# Altium PCB ESP_MusicToy.PcbDoc (part 1 of 2) (continued)
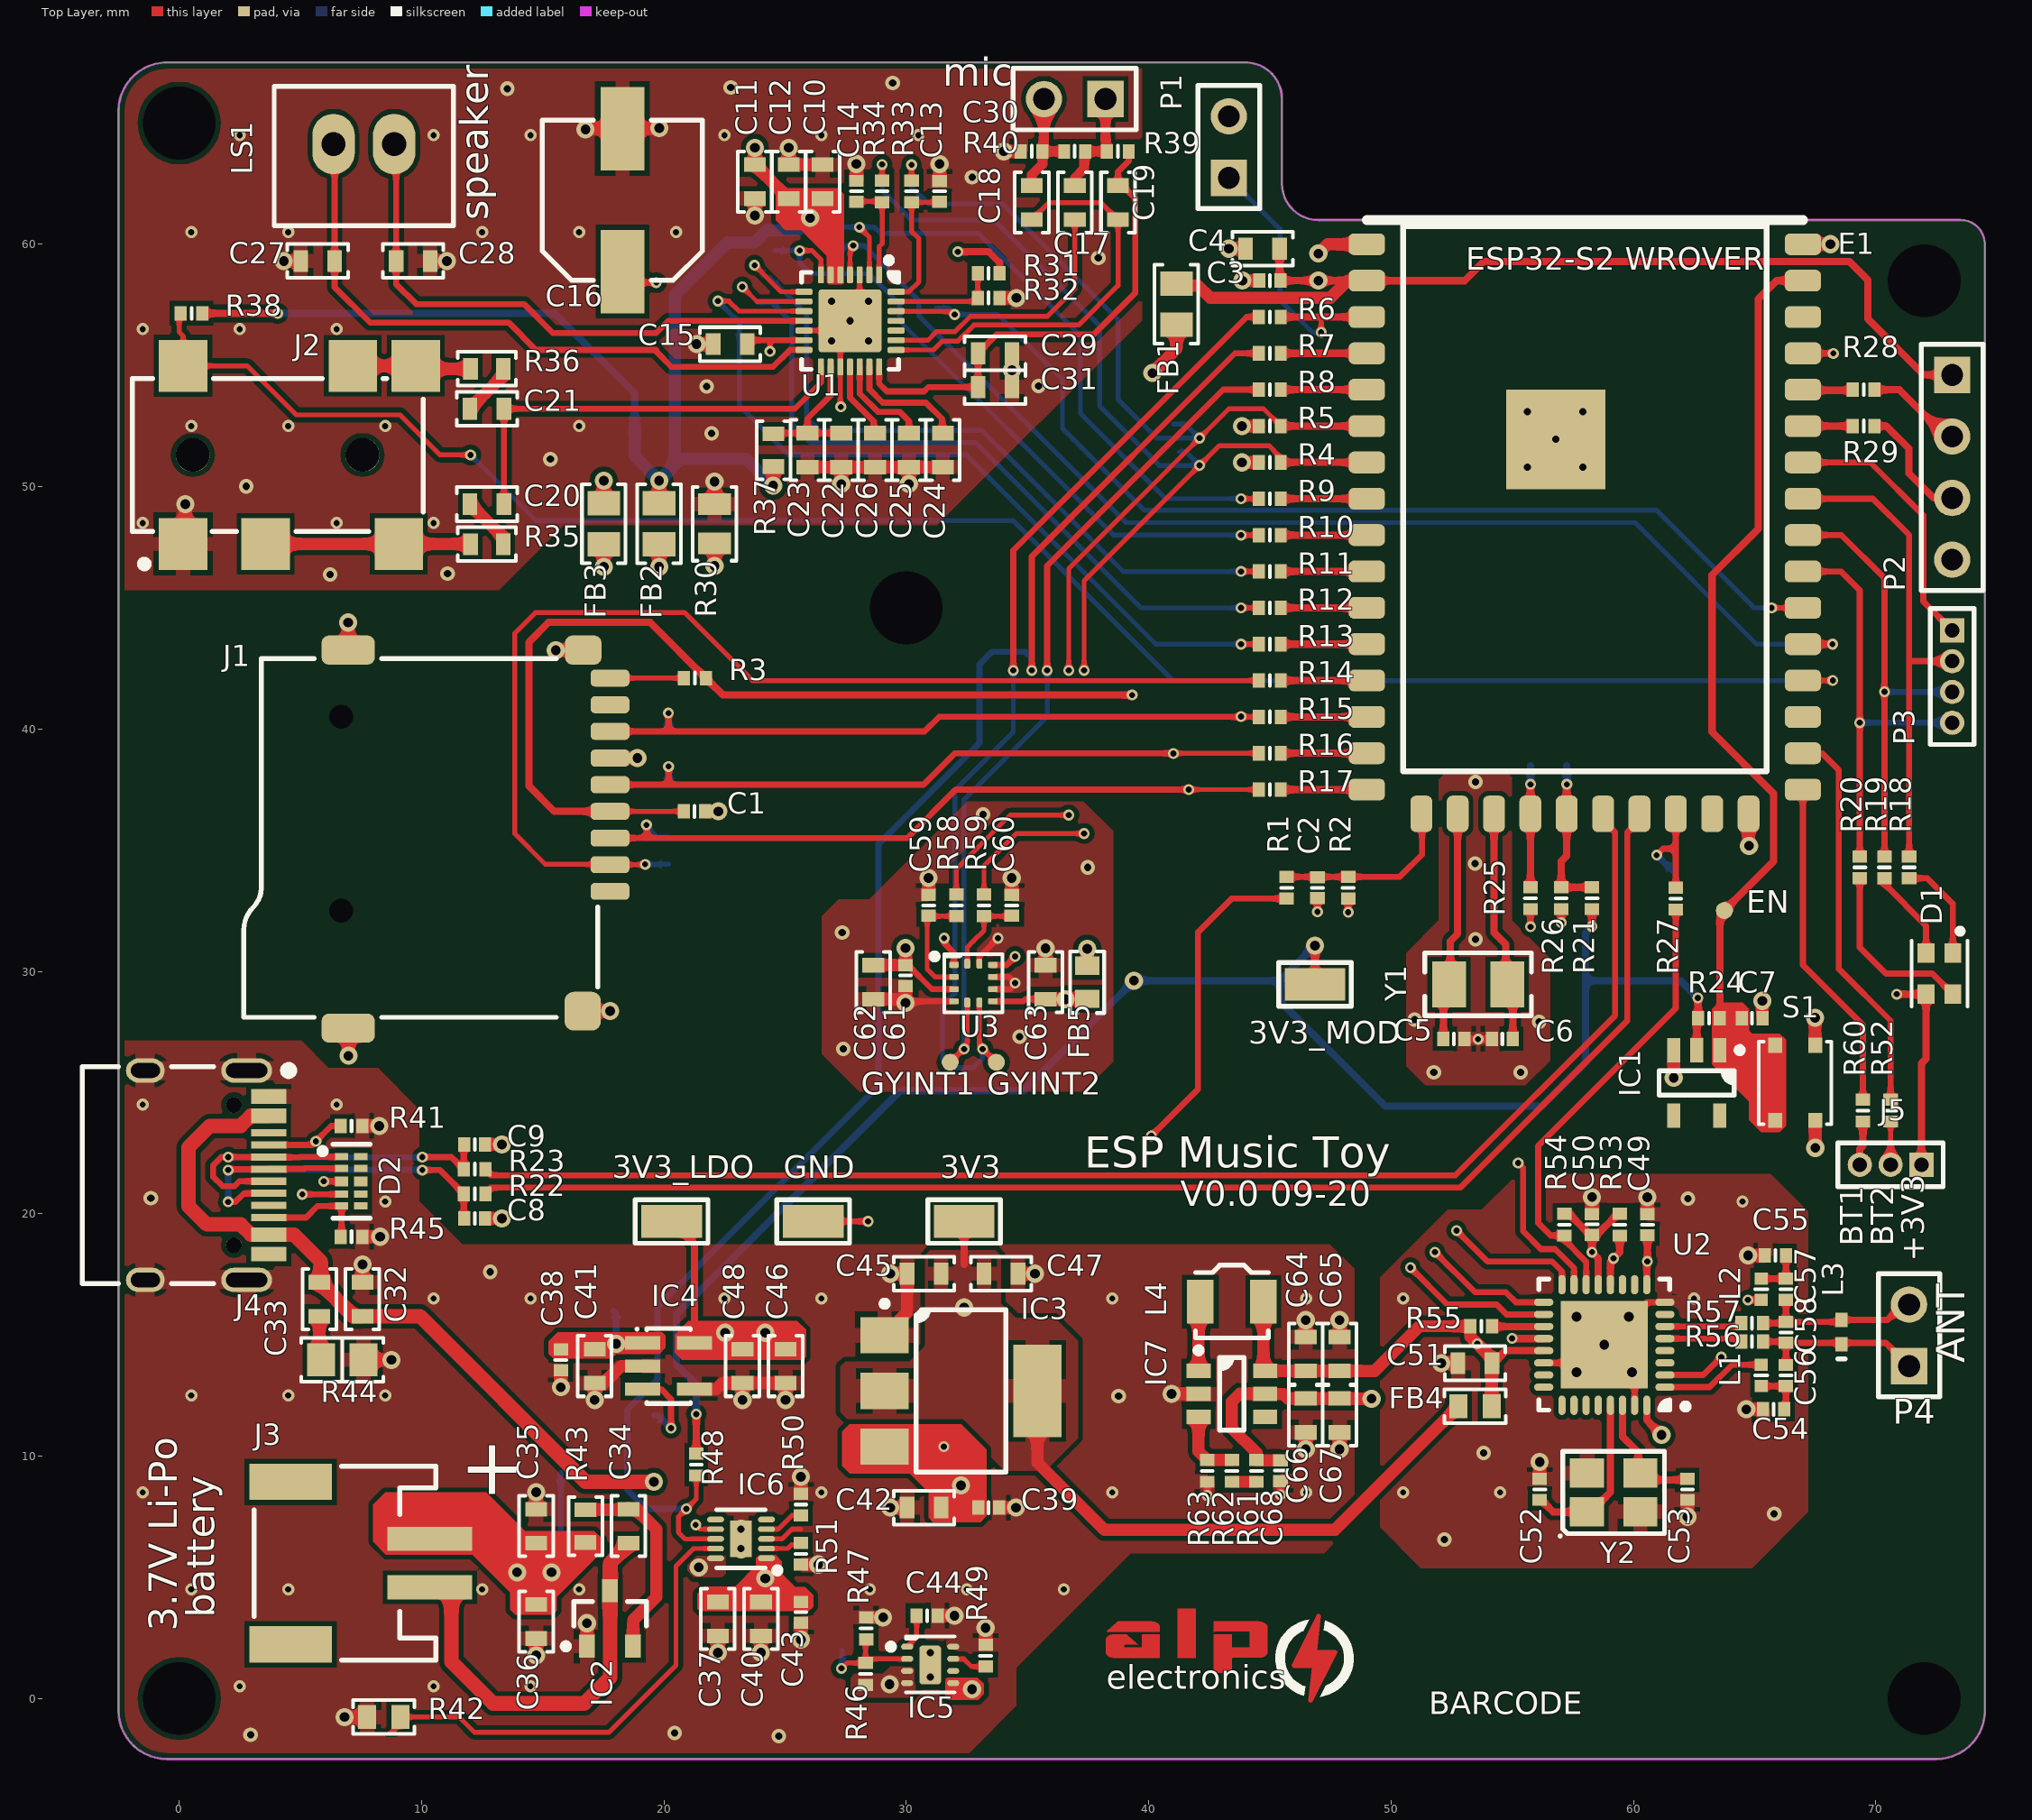
[diagram p0: Top Layer view]
## Footprints (in the part's own frame and the unit in brackets; to place one, negate y for a bottom-side part, rotate by r counter-clockwise, add the part's x,y. Pads: shape width x height; smd on the part's side, far side on the other; paste and mask are expansions set on the pad) (continued)
  rect 0.6x1.45 smd: A1/B12(-3.25,1.415) A4/B9(-2.45,1.415) B1/A12(3.25,1.415) B4/A9(2.45,1.415)
  rect 0.3x1.45 smd: A5(-1.25,1.415) A6(-0.25,1.415) A7(0.25,1.415) A8(1.25,1.415) B5(1.75,1.415) B6(0.75,1.415) B7(-0.75,1.415) B8(-1.75,1.415)
  round 0.65 hole 0.65 unplated: None(-2.895,-0.03) None(2.885,-0.03)
  oval 1x2.1 hole 0.6 slot 1.7 at 90 deg: S1(-4.32,0.5) S2(4.32,0.5)
  oval 1x1.6 hole 0.6 slot 1.2 at 90 deg: S3(4.32,-3.68) S4(-4.32,-3.68)
  silkscreen extent -4.57,-6.28 4.47,2.48, body extent -4.48,-6.28 4.47,1.62, height 3.26
"IND 0402/1005 RF WW" [mm] "Chip Inductor, 2-Leads, Body 1.00x0.50mm, IPC High Density"
  rect 0.5x0.54 smd: 1(-0.44,0) 2(0.44,0)
  silkscreen extent 0,-0.25 0,0.25, body extent -0.5,-0.29 0.5,0.29, height 0.51
"JST S2B-PH-SM4-TB" [mm] "JST PH Series 2mm pitch, side entry connector"
  rect 1x3.5 smd: 1(-1,-4.25) 2(1,-4.25)
  rect 1.5x3.4 smd: M(-3.35,1.5) M(3.35,1.5)
  silkscreen extent -4,-4.5 4,3, body extent -3.95,-5.6 3.95,3.01, height 5.6
"JST XH B2B-XH-A" [mm]
  oval 1.75x2.5 hole 1: 1(-1.25,0) 2(1.25,0)
  silkscreen extent -3.7,-3.38 3.7,2.38, body extent -3.7,-3.38 3.7,2.38, height 7
"LGA-12 2x2" [mm] "LGA, 12-Leads, Body 2.00x2.00mm, Pitch 0.50mm, IPC Medium Density"
  rrect50% 0.4x0.25 smd: 1(-0.8,0.75) 2(-0.8,0.25) 3(-0.8,-0.25) 4(-0.8,-0.75) 7(0.8,-0.75) 8(0.8,-0.25) 9(0.8,0.25) 10(0.8,0.75)
  rrect50% 0.25x0.4 smd: 5(-0.25,-0.8) 6(0.25,-0.8) 11(0.25,0.8) 12(-0.25,0.8)
  silkscreen extent -1.72,-1.2 1.2,1.22, body extent -1,-1 1,1, height 0.71
MHDR1X3 [mm] "Connector; Header; 3 Position"
  rect 1x1 hole 0.6: 1(0,0)
  round 1 hole 0.6: 2(1.27,0) 3(2.54,0)
  silkscreen extent -0.9,-0.9 3.44,0.9
MHDR1X4 [mm] "Connector; Header; 4 Position"
  rect 1x1 hole 0.6: 1(0,0)
  round 1 hole 0.6: 2(1.27,0) 3(2.54,0) 4(3.81,0)
  silkscreen extent -0.9,-0.9 4.71,0.9
"NDK NX3225SA" [mm] "Crystal, 4-Leads, Body 2.50x3.20mm, Pitch 2.20mm, IPC Medium Density"
  rect 1.4x1.2 smd: 1(-1.1,-0.8) 2(1.1,-0.8) 3(1.1,0.8) 4(-1.1,0.8)
  silkscreen extent -2.25,-1.85 2.1,1.7, body extent -1.61,-1.26 1.61,1.26, height 0.6
"ON SEMI SOT-223 ST(318H)" [mm] "SOT223, 4-Leads, Body 6.50x7.00mm (avg), Pitch 2.30mm, IPC Medium Density"
  rect 2x1.5 smd: 1(-3.15,2.3) 2(-3.15,0) 3(-3.15,-2.3)
  rect 2x3.8 smd: 4(3.15,0)
  silkscreen extent -3.27,-3.35 1.85,3.72, body extent -3.52,-3.25 3.5,3.25, height 1.8
PJ-3420-A-SMT [mm]
  rect 2x2.15 smd: 1(-3.9,-3.675) 2(-3.9,3.675) 3(-0.5,-3.675) 4(3.1,3.675) 5(5.7,3.675) 6(5,-3.675)
  round 1.4 hole 1.4 unplated: ""(-3.5,0) ""(3.5,0)
  silkscreen extent -6,-4.65 6,3.15, body extent -8,-4.15 6,4.15, height 4.92
"QFN28 4x4mm 0.4mm Pitch" [mm] "2.6x2.6 Thermal Pad"
  rrect50% 0.7x0.25 smd: 1(-1.9,1.2) 2(-1.9,0.8) 3(-1.9,0.4) 4(-1.9,0) 5(-1.9,-0.4) 6(-1.9,-0.8) 7(-1.9,-1.2) 15(1.9,-1.2) 16(1.9,-0.8) 17(1.9,-0.4) 18(1.9,0) 19(1.9,0.4) 20(1.9,0.8) 21(1.9,1.2)
  rrect50% 0.25x0.7 smd: 8(-1.2,-1.9) 9(-0.8,-1.9) 10(-0.4,-1.9) 11(0,-1.9) 12(0.4,-1.9) 13(0.8,-1.9) 14(1.2,-1.9) 22(1.2,1.9) 23(0.8,1.9) 24(0.4,1.9) 25(0,1.9) 26(-0.4,1.9) 27(-0.8,1.9) 28(-1.2,1.9)
  rrect10% 2.6x2.6 smd: 29(0,0)
  silkscreen extent -2.62,-2 2,2, body extent -2,-2 2,2, height 0.75
"RES 0402/1005" [mm] "Chip Resistor, 2-Leads, Body 1.0x0.5mm, IPC Medium Density"
  rect 0.5x0.6 smd: 1(-0.45,0) 2(0.45,0)
  silkscreen extent 0,-0.23 0,0.23, body extent -0.5,-0.25 0.5,0.25, height 0.35
"RES 0603/1608" [mm] "Chip Resistor, 2-Leads, Body 1.60x0.80mm, IPC Medium Density"
  rect 0.6x0.9 smd: 1(-0.675,0) 2(0.675,0)
  silkscreen extent -1.2,-0.7 1.2,0.7, body extent -0.8,-0.4 0.8,0.4, height 0.45
"RES 0805/2012" [mm] "Chip Resistor, 2-Leads, Body 2.00x1.25mm, IPC Medium Density"
  rect 0.9x1.35 smd: 1(-0.813,0) 2(0.813,0)
  silkscreen extent -1.52,-0.9 1.52,0.9, body extent -0.95,-0.62 1.05,0.63, height 0.6
"RES 0805_2012" [mm] "Chip Resistor, 2-Leads, Body 2.00x1.25mm, IPC Medium Density"
  rect 1.15x1.35 smd: 1(-0.875,0) 2(0.875,0)
  silkscreen extent -1.7,-0.9 1.7,0.9, body extent -0.95,-0.62 1.05,0.63, height 0.6
SKSGACE010 [mm]
  rect 0.625x0.575 smd: 1(-1.55,0.825) 2(1.55,0.825) 3(-1.55,-0.825) 4(1.55,-0.825)
  silkscreen extent -1.7,-1.5 1.7,1.5, body extent -1.75,-1.39 1.75,1.39, height 1.35
"ST VFQFPN-32" [mm] "0.5mm Pitch, 5x5mm Body, 3.6x3.6mm Pad"
  oval 0.8x0.3 smd: 1(-2.5,1.75) 2(-2.5,1.25) 3(-2.5,0.75) 4(-2.5,0.25) 5(-2.5,-0.25) 6(-2.5,-0.75) 7(-2.5,-1.25) 8(-2.5,-1.75) 17(2.5,-1.75) 18(2.5,-1.25) 19(2.5,-0.75) 20(2.5,-0.25) 21(2.5,0.25) 22(2.5,0.75) 23(2.5,1.25) 24(2.5,1.75)
  oval 0.3x0.8 smd: 9(-1.75,-2.475) 10(-1.25,-2.475) 11(-0.75,-2.475) 12(-0.25,-2.475) 13(0.25,-2.475) 14(0.75,-2.475) 15(1.25,-2.475) 16(1.75,-2.475) 25(1.75,2.5) 26(1.25,2.5) 27(0.75,2.5) 28(0.25,2.5) 29(-0.25,2.5) 30(-0.75,2.5) 31(-1.25,2.5) 32(-1.75,2.5)
  rect 3.6x3.6 smd: 33(0,0)
  silkscreen extent -3.48,-2.7 2.7,2.7, body extent -2.5,-2.5 2.5,2.5, height 1
"TDK SPM3012" [mm] "Inductor, 2-Leads, Body 3.00x3.00mm, IPC Medium Density"
  rect 1.1x1.8 smd: 1(-1.3,0) 2(1.3,0)
  silkscreen extent -1.5,-1.5 1.5,1.5, body extent -1.6,-1.5 1.6,1.5, height 1.2
"TE TP 0805" [mm]
  rect 2.5x1.35 smd: 1(0,0)
  silkscreen extent -1.5,-0.9 1.5,0.9, body extent -1,-0.64 1,0.64, height 1.48
TF-PUSH [mm]
  rrect50% 0.7x1.6 smd: 1(-2.386,-8.632) 2(-1.286,-8.632) 3(-0.186,-8.632) 4(0.914,-8.632) 5(2.014,-8.632) 6(3.114,-8.632) 7(4.214,-8.632) 8(5.314,-8.632) 9(6.414,-8.632)
  rrect50% 1.2x2.2 smd: G(-8.03,2.168) G(7.57,2.168)
  rrect50% 1.6x1.5 smd: G(-7.33,-7.507)
  rrect50% 1.2x1.5 smd: G(7.57,-7.532)
  rrect50% 0x0 hole 1 unplated: S(-3.181,2.458) S(4.819,2.458)
  silkscreen extent -7.58,-8.12 7.22,6.48, body extent -8.23,-8.73 7.87,9.09, height 2.05
"TI PWSON-10 DSQ" [mm] "DFN, 10-Leads, Body 2.00x2.00mm, Pitch 0.40mm, Thermal Pad 0.70x1.20mm, IPC Medium Density"
  oval 0.7x0.23 smd: 1(-1.05,0.8) 2(-1.05,0.4) 3(-1.05,0) 4(-1.05,-0.4) 5(-1.05,-0.8) 6(1.05,-0.8) 7(1.05,-0.4) 8(1.05,0) 9(1.05,0.4) 10(1.05,0.8)
  rect 0.9x1.5 smd mask-0.15: 11(0,0)
  silkscreen extent -1.63,-1.2 1,1.42, body extent -1,-1 1,1, height 0.81
"TI SOT-23-5 DBV" [mm] "SOT23, 5-Leads, Body 2.90x2.80mm, Pitch 0.95mm, IPC Medium Density"
  rect 1x0.55 smd: 1(-1.35,0.95) 2(-1.35,0) 3(-1.35,-0.95) 4(1.35,-0.95) 5(1.35,0.95)
  silkscreen extent -1.47,-1.55 0.5,1.9, body extent -1.44,-1.43 1.39,1.48, height 1.5
"TI USON-10 DQA" [mm]
  rect 0.55x0.3 smd: 1(-0.406,1.016) 2(-0.406,0.533) 4(-0.406,-0.533) 5(-0.406,-1.016) 6(0.381,-1.016) 7(0.381,-0.533) 9(0.381,0.533) 10(0.381,1.016)
  rect 0.55x0.4 smd: 3(-0.406,0) 8(0.381,0)
  silkscreen extent -1.24,-1.52 0.76,1.52, body extent -0.5,-1.25 0.51,1.25, height 0.54
"TI WSON-8 DSG 2x2MM" [mm]
  oval 0.5x0.25 smd: 1(-0.95,0.75) 2(-0.95,0.25) 3(-0.95,-0.25) 4(-0.95,-0.75) 5(0.95,-0.75) 6(0.95,-0.25) 7(0.95,0.25) 8(0.95,0.75)
  rrect30% 0.9x1.6 smd: 11(0,0)
  silkscreen extent -1.75,-1.12 1,1.17, body extent -1,-1 1,1, height 0.78

## Part data
3V3 3V3_LDO 3V3_MOD AVDD BAT C_GPIO1 C_GPIO2 CHG CLK DIN1 DOUT1 EN FUSE_EN GND GYINT1 GYINT2 LDO_EN LRCLK1 MCLK1 MISO MOSI NFC_CS NFCIRIN NFCIRO SCK SCLK1 SD_CS SDA SPKVDD VBAT: "0805 PROBE PAD", Manufacturer="TE Connectivity AMP Connectors", Supplier Part Number 1=A106144CT-ND, ComponentLink1Description=Datasheet, ComponentLink1URL=http://www.te.com/commerce/DocumentDelivery/DDEController?Action=srchrtrv&DocNm=1773266&DocType=DS&DocLang=English, ComponentLink2Description="Digi-Key Listing", ComponentLink2URL=http://www.digikey.com/product-detail/en/te-connectivity-amp-connectors/RCT-0C/A106144CT-ND/3477801, Mounting Type="Surface Mount", Part Number=RCT-0C, PartId=15704, Price=0,14, Supplier 1=Digi-Key, Type="PC Test Point"
C1 C2 C3 C7 C38 C39 C43 C50 C61 C68: library part C1005X7R1A104K050BB, "CAP CER 0.1UF 10V X7R 0402", Device Package="0402 (1005 Metric)", Manufacturer="TDK Corporation", Supplier Part Number 1=445-4958-2-ND, TemperatureCoefficient=X7R, TemperatureRange="-55C ~ 125C", Tolerance=10%, Voltage=10V, ComponentLink1Description=Datasheet, ComponentLink1URL=https://product.tdk.com/info/en/catalog/datasheets/mlcc_commercial_general_en.pdf, ComponentLink2Description="Digi-Key listing", ComponentLink2URL=http://digikey.com/product-detail/en/C1005X7R1A104K050BB/445-4958-2-ND/2093226, Part Number=C1005X7R1A104K050BB, PartId=3900, Price=0,0066, Supplier 1=Digi-Key, Type=-
C4 C20 C21 C45 C46 C47 C48: library part C1608X5R1A226M080AC, "CAP CER 22UF 10V X5R 0603", Device Package="0603 (1608 Metric)", Manufacturer="TDK Corporation", Supplier Part Number 1=445-9077-2-ND, TemperatureCoefficient=X5R, TemperatureRange="-55C ~ 85C", Tolerance=20%, Voltage=10V, ComponentLink1Description=Datasheet, ComponentLink1URL=https://product.tdk.com/info/en/catalog/datasheets/mlcc_commercial_general_en.pdf, ComponentLink2Description="Digi-Key Listing", ComponentLink2URL=https://www.digikey.com/product-detail/en/tdk-corporation/C1608X5R1A226M080AC/445-9077-2-ND/3661560, Part Number=C1608X5R1A226M080AC, PartId=12987, Price=0,105, Supplier 1=Digi-Key
C5 C6: library part GRM1555C1E120JA01D, "CAP CER 12PF 25V NP0 0402", Device Package="0402 (1005 Metric)", Manufacturer="Murata Electronics North America", Supplier Part Number 1=490-8170-2-ND, TemperatureCoefficient="C0G, NP0", TemperatureRange="-55C ~ 125C", Tolerance=5%, Voltage=25V, ComponentLink1Description=Datasheet, ComponentLink1URL=http://www.murata.com/~/media/webrenewal/support/library/catalog/products/capacitor/mlcc/c02e.ashx, ComponentLink2Description="Digi-Key listing", ComponentLink2URL=http://digikey.com/product-detail/en/GRM1555C1E120JA01D/490-8170-2-ND/3693719, Part Number=GRM1555C1E120JA01D, PartId=4929, Price=0,0069, Supplier 1=Digi-Key, Type=-
C8 C9 C13 C14 C59 C60: library part GRM1555C1E200JA01D, "CAP CER 20PF 25V NP0 0402", Device Package="0402 (1005 Metric)", Manufacturer="Murata Electronics North America", Supplier Part Number 1=490-11364-2-ND, TemperatureCoefficient="C0G, NP0", TemperatureRange="-55C ~ 125C", Tolerance=5%, Voltage=25V, ComponentLink1Description=Datasheet, ComponentLink1URL=http://www.murata.com/~/media/webrenewal/support/library/catalog/products/capacitor/mlcc/c02e.ashx, ComponentLink2Description="Digi-Key listing", ComponentLink2URL=http://digikey.com/product-detail/en/GRM1555C1E200JA01D/490-11364-2-ND/3693725, Part Number=GRM1555C1E200JA01D, PartId=5066, Price=0,0118, Supplier 1=Digi-Key, Type=-
C10 C11 C23 C31 C34: library part CC0603KPX7R7BB104, "CAP CER 0.1UF 16V X7R 0603", Device Package="0603 (1608 Metric)", Manufacturer=Yageo, Supplier Part Number 1=311-1335-2-ND, TemperatureCoefficient=X7R, TemperatureRange="-55C ~ 125C", Tolerance=10%, Voltage=16V, ComponentLink1Description=Datasheet, ComponentLink1URL=http://www.yageo.com/documents/recent/UPY-GPHC_X7R_6.3V-to-50V-v12.pdf, ComponentLink2Description="Digi-Key listing", ComponentLink2URL=http://digikey.com/product-detail/en/CC0603KPX7R7BB104/311-1335-2-ND/2103073, Part Number=CC0603KPX7R7BB104, PartId=5262, Price=0,0043, Supplier 1=Digi-Key, Type=-
C12 C22 C25 C26 C29 C35 C40 C41 C42 C51 C63 C67: library part C1608X5R1A106M080AC, "CAP CER 10UF 10V X5R 0603", Device Package="0603 (1608 Metric)", Manufacturer="TDK Corporation", Supplier Part Number 1=445-6853-2-ND, TemperatureCoefficient=X5R, TemperatureRange="-55C ~ 85C", Tolerance=20%, Voltage=10V, ComponentLink1Description=Datasheet, ComponentLink1URL=https://product.tdk.com/info/en/catalog/datasheets/mlcc_commercial_general_en.pdf, ComponentLink2Description="Digi-Key Listing", ComponentLink2URL=https://www.digikey.com/product-detail/en/tdk-corporation/C1608X5R1A106M080AC/445-6853-2-ND/2619194, Part Number=C1608X5R1A106M080AC, PartId=13099, Price=0,0935, Supplier 1=Digi-Key
C15 C17 C18 C19 C32 C36 C37 C62: library part CGB3B1X7R1A105K055AC, "CAP CER 1UF 10V X7R 0603", Device Package="0603 (1608 Metric)", Manufacturer="TDK Corporation", Supplier Part Number 1=445-13228-1-ND, TemperatureCoefficient=X7R, TemperatureRange="-55C ~ 125C", Tolerance=10%, Voltage=10V, ComponentLink1Description=Datasheet, ComponentLink1URL=https://product.tdk.com/info/en/catalog/datasheets/mlcc_commercial_lowprofile_en.pdf, ComponentLink2Description="Digi-Key listing", ComponentLink2URL=http://digikey.com/product-detail/en/CGB3B1X7R1A105K055AC/445-13228-1-ND/3954894, Part Number=CGB3B1X7R1A105K055AC, PartId=4131, Price=0,27, Supplier 1=Digi-Key, Type="Low Profile"
C16: library part EEE-1CA221XP, "CAP ALUM 220UF 20% 16V SMD", Device Package="Radial, Can - SMD", Lifetime @ Temp="2000 Hrs @ 85C", Manufacturer="Panasonic Electronic Components", Ripple Current=162mA, Supplier Part Number 1=PCE3885TR-ND, TemperatureRange="-40C ~ 85C", Tolerance=20%, Voltage=16V, ComponentLink1Description=Datasheet, ComponentLink1URL=http://media.digikey.com/pdf/Data%20Sheets/Panasonic%20Electronic%20Components/S_Series_Type_V.pdf, ComponentLink2Description="Digi-Key listing", ComponentLink2URL=http://digikey.com/product-detail/en/EEE-1CA221XP/PCE3885TR-ND/766052, Impedance=-, Part Number=EEE-1CA221XP, PartId=7248, Price=0,1758, Supplier 1=Digi-Key, Type=Automotive
C24 C33: library part C1608X5R1A475K080AC, "CAP CER 4.7UF 10V X5R 0603", Device Package="0603 (1608 Metric)", Manufacturer="TDK Corporation", Supplier Part Number 1=445-5170-2-ND, TemperatureCoefficient=X5R, TemperatureRange="-55C ~ 85C", Tolerance=10%, Voltage=10V, ComponentLink1Description=Datasheet, ComponentLink1URL=https://product.tdk.com/info/en/catalog/datasheets/mlcc_commercial_general_en.pdf, ComponentLink2Description="Digi-Key Listing", ComponentLink2URL=https://www.digikey.com/product-detail/en/tdk-corporation/C1608X5R1A475K080AC/445-5170-2-ND/2093438, Part Number=C1608X5R1A475K080AC, PartId=13010, Price=0,0333, Supplier 1=Digi-Key
C27 C28: library part C0603C102K3RACTU, "CAP CER 1000PF 25V X7R 0603", Device Package="0603 (1608 Metric)", Manufacturer=Kemet, Supplier Part Number 1=399-7834-2-ND, TemperatureCoefficient=X7R, TemperatureRange="-55C ~ 125C", Tolerance=10%, Voltage=25V, ComponentLink1Description=Datasheet, ComponentLink1URL=http://www.kemet.com/docfinder?Partnumber=C0603C102K3RACTU, ComponentLink2Description="Digi-Key Listing", ComponentLink2URL=https://www.digikey.com/product-detail/en/kemet/C0603C102K3RACTU/399-7834-2-ND/2199718, Part Number=C0603C102K3RACTU, PartId=13145, Price=0,0041, Supplier 1=Digi-Key
C30: library part C0402C101J3GACTU, "CAP CER 100PF 25V NP0 0402", Device Package="0402 (1005 Metric)", Manufacturer=Kemet, Supplier Part Number 1=399-1022-2-ND, TemperatureCoefficient="C0G, NP0", TemperatureRange="-55C ~ 125C", Tolerance=5%, Voltage=25V, ComponentLink1Description=Datasheet, ComponentLink1URL=http://www.kemet.com/docfinder?Partnumber=C0402C101J3GACTU, ComponentLink2Description="Digi-Key Listing", ComponentLink2URL=https://www.digikey.com/product-detail/en/kemet/C0402C101J3GACTU/399-1022-2-ND/411024, Part Number=C0402C101J3GACTU, PartId=12375, Price=0,0046, Supplier 1=Digi-Key
C44: library part CGJ2B2X7R1E332K050BA, "CAP CER 3300PF 25V X7R 0402", Device Package="0402 (1005 Metric)", Manufacturer="TDK Corporation", Supplier Part Number 1=445-8075-2-ND, TemperatureCoefficient=X7R, TemperatureRange="-55C ~ 125C", Tolerance=10%, Voltage=25V, ComponentLink1Description=Datasheet, ComponentLink1URL=https://product.tdk.com/info/en/catalog/datasheets/mlcc_highreliability_general_en.pdf, ComponentLink2Description="Digi-Key Listing", ComponentLink2URL=https://www.digikey.com/product-detail/en/tdk-corporation/CGJ2B2X7R1E332K050BA/445-8075-2-ND/2812488, Part Number=CGJ2B2X7R1E332K050BA, PartId=12699, Price=0,0192, Supplier 1=Digi-Key
C49: library part C0402C102K9RACTU, "CAP CER 1000PF 6.3V X7R 0402", Device Package="0402 (1005 Metric)", Manufacturer=Kemet, Supplier Part Number 1=399-8941-2-ND, TemperatureCoefficient=X7R, TemperatureRange="-55C ~ 125C", Tolerance=10%, Voltage=6.3V, ComponentLink1Description=Datasheet, ComponentLink1URL=http://www.kemet.com/docfinder?Partnumber=C0402C102K9RACTU, ComponentLink2Description="Digi-Key Listing", ComponentLink2URL=https://www.digikey.com/product-detail/en/kemet/C0402C102K9RACTU/399-8941-2-ND/2196206, Part Number=C0402C102K9RACTU, PartId=12782, Price=0,0029, Supplier 1=Digi-Key
C52 C53: library part C0402C100C8GACTU, "CAP CER 10PF 10V NP0 0402", Device Package="0402 (1005 Metric)", Manufacturer=Kemet, Supplier Part Number 1=399-8939-2-ND, TemperatureCoefficient="C0G, NP0", TemperatureRange="-55C ~ 125C", Tolerance=0.25pF, Voltage=10V, ComponentLink1Description=Datasheet, ComponentLink1URL=http://www.kemet.com/docfinder?Partnumber=C0402C100C8GACTU, ComponentLink2Description="Digi-Key Listing", ComponentLink2URL=https://www.digikey.com/product-detail/en/kemet/C0402C100C8GACTU/399-8939-2-ND/2196146, Part Number=C0402C100C8GACTU, PartId=12811, Price=0,0523, Supplier 1=Digi-Key
C54 C55: library part C1005C0G1H221F050BA, "CAP CER 220PF 50V C0G 0402", Device Package="0402 (1005 Metric)", Manufacturer="TDK Corporation", Supplier Part Number 1=445-7015-2-ND, TemperatureCoefficient="C0G, NP0", TemperatureRange="-55C ~ 125C", Tolerance=1%, Voltage=50V, ComponentLink1Description=Datasheet, ComponentLink1URL=https://product.tdk.com/info/en/catalog/datasheets/mlcc_commercial_general_en.pdf, ComponentLink2Description="Digi-Key listing", ComponentLink2URL=http://digikey.com/product-detail/en/C1005C0G1H221F050BA/445-7015-2-ND/2674817, Part Number=C1005C0G1H221F050BA, PartId=3869, Price=0,1606, Supplier 1=Digi-Key, Type=-
C56 C57: library part GRM1555C1H430GA01D, "CAP CER 43PF 50V NP0 0402", Device Package="0402 (1005 Metric)", Manufacturer="Murata Electronics North America", Supplier Part Number 1=490-9664-2-ND, TemperatureCoefficient="C0G, NP0", TemperatureRange="-55C ~ 125C", Tolerance=1%, Voltage=50V, ComponentLink1Description=Datasheet, ComponentLink1URL=http://www.murata.com/~/media/webrenewal/support/library/catalog/products/capacitor/mlcc/c02e.ashx, ComponentLink2Description="Digi-Key listing", ComponentLink2URL=http://digikey.com/product-detail/en/GRM1555C1H430GA01D/490-9664-2-ND/3693990, Part Number=GRM1555C1H430GA01D, PartId=5184, Price=0,0202, Supplier 1=Digi-Key, Type=-
C58: library part C1005C0G1H101F050BA, "CAP CER 100PF 50V C0G 0402", Device Package="0402 (1005 Metric)", Manufacturer="TDK Corporation", Supplier Part Number 1=445-5362-2-ND, TemperatureCoefficient="C0G, NP0", TemperatureRange="-55C ~ 125C", Tolerance=1%, Voltage=50V, ComponentLink1Description=Datasheet, ComponentLink1URL=https://product.tdk.com/info/en/catalog/datasheets/mlcc_commercial_general_en.pdf, ComponentLink2Description="Digi-Key listing", ComponentLink2URL=http://digikey.com/product-detail/en/C1005C0G1H101F050BA/445-5362-2-ND/2269856, Part Number=C1005C0G1H101F050BA, PartId=3866, Price=0,1262, Supplier 1=Digi-Key, Type=-
C64: library part C1608X5R1A106K080AC, "CAP CER 10UF 10V X5R 0603", Device Package="0603 (1608 Metric)", Manufacturer="TDK Corporation", Supplier Part Number 1=445-7486-2-ND, TemperatureCoefficient=X5R, TemperatureRange="-55C ~ 85C", Tolerance=10%, Voltage=10V, ComponentLink1Description=Datasheet, ComponentLink1URL=https://product.tdk.com/info/en/catalog/datasheets/mlcc_commercial_general_en.pdf, ComponentLink2Description="Digi-Key Listing", ComponentLink2URL=https://www.digikey.com/product-detail/en/tdk-corporation/C1608X5R1A106K080AC/445-7486-2-ND/2732921, Part Number=C1608X5R1A106K080AC, PartId=13435, Price=0,102, Supplier 1=Digi-Key
C65 C66: library part C0603C105K3RACTU, "CAP CER 1UF 25V X7R 0603", Device Package="0603 (1608 Metric)", Manufacturer=Kemet, Supplier Part Number 1=399-7376-2-ND, TemperatureCoefficient=X7R, TemperatureRange="-55C ~ 125C", Tolerance=10%, Voltage=25V, ComponentLink1Description=Datasheet, ComponentLink1URL=http://www.kemet.com/docfinder?Partnumber=C0603C105K3RACTU, ComponentLink2Description="Digi-Key Listing", ComponentLink2URL=https://www.digikey.com/product-detail/en/kemet/C0603C105K3RACTU/399-7376-2-ND/3317582, Part Number=C0603C105K3RACTU, PartId=13359, Price=0,044, Supplier 1=Digi-Key
D1: "RGB 615~630nmRed,515~535nmGreen,465~480nmBlue 2020", Colour=RGB, Device Package=2020, Manufacturer="Foshan NationStar Optoelectronics", Supplier Part Number 1=C108793, ComponentLink1Description=Datasheet, ComponentLink1URL=https://datasheet.lcsc.com/szlcsc/1810231210_Foshan-NationStar-Optoelectronics-FM-B2020RGBA-HG_C108793.pdf, ComponentLink2Description="LCSC Listing", ComponentLink2URL=https://lcsc.com/product-detail/Light-Emitting-Diodes-LED_FM-B2020RGBA-HG_C108793.html, Part Number=FM-B2020RGBA-HG, PartId=10872, Supplier 1=LCSC, Type="Surface Mount"
D2: library part TPD4E05U06DQAR, "TVS DIODE  4-Channel 5.5VWM 14VC 10SON", Device Package=USON-10, Manufacturer="Texas Instruments", Bidirectional Channels=4, Part Number=TPD4E05U06DQAR, PartId=14960, Supplier 1=Digi-Key, Type=Zener
FB1 FB2: library part CIC21P101NE, "FERRITE CHIP 100 OHM 2000MA 0805", Current Rating=2A, DC Resistance="20 mOhm Max", Device Package="0805 (2012 Metric)", Manufacturer="Samsung Electro-Mechanics America, Inc.", Supplier Part Number 1=1276-6374-2-ND, ComponentLink1Description=Datasheet, ComponentLink1URL=http://www.samsungsem.com/kr/front/downloadcms.do?path=/kr/support/product-search/bead/__icsFiles/afieldfile/2014/11/13&fileName=S_CIC21J121NE.pdf, ComponentLink2Description="Digi-Key listing", ComponentLink2URL=http://digikey.com/product-detail/en/CIC21P101NE/1276-6374-2-ND/3973735, Part Number=CIC21P101NE, PartId=6759, Price=0,0163, Supplier 1=Digi-Key, Type="Differential Mode - Single"
FB3: library part MMZ2012S181AT000, "FERRITE CHIP 180 OHM 600MA 0805", Current Rating=600mA, DC Resistance="150 mOhm Max", Device Package="0805 (2012 Metric)", Manufacturer="TDK Corporation", Supplier Part Number 1=445-2194-2-ND, ComponentLink1Description=Datasheet, ComponentLink1URL=https://product.tdk.com/info/en/catalog/datasheets/beads_commercial_signal_mmz2012_en.pdf, ComponentLink2Description="Digi-Key listing", ComponentLink2URL=http://digikey.com/product-detail/en/MMZ2012S181AT000/445-2194-2-ND/600551, Part Number=MMZ2012S181AT000, PartId=6805, Price=0,0344, Supplier 1=Digi-Key, Type="Differential Mode - Single"
FB4 FB5: library part BKP1608HS101-T, "FERRITE CHIP 100 OHM 0603", Current Rating=1.7A, DC Resistance="50 mOhm Max", Device Package="0603 (1608 Metric)", Manufacturer="Taiyo Yuden", Supplier Part Number 1=587-1922-2-ND, ComponentLink1Description=Datasheet, ComponentLink1URL=http://ds.yuden.co.jp/TYCOMPAS/ut/detail.do?productNo=BKP1608HS101-T&fileName=BKP1608HS101-T_SS&mode=specSheetDownload, ComponentLink2Description="Digi-Key listing", ComponentLink2URL=http://digikey.com/product-detail/en/BKP1608HS101-T/587-1922-2-ND/957775, Part Number=BKP1608HS101-T, PartId=6594, Price=0,0247, Supplier 1=Digi-Key, Type="Differential Mode - Single"
IC1: "IC MPU RESET CIRC 3V SOT23-5", Device Package=SOT23-5, Manufacturer="ROHM Semiconductor", Supplier Part Number 1=C507475, Voltage - Threshold=3.0V, Voltages Monitored=1, ComponentLink1Description=Datasheet, ComponentLink1URL=https://datasheet.lcsc.com/szlcsc/2005211231_ROHM-Semicon-BD4830G-TR_C507475.pdf, ComponentLink2Description="LCSC Listing", ComponentLink2URL=https://lcsc.com/product-detail/PMIC-Supervisors_ROHM-Semicon-BD4830G-TR_C507475.html, Output="Open Drain or Open Collector", Part Number=BD4830G-TR, PartId=16401, Reset="Active High", Supplier 1=LCSC, Type="Simple Reset/Power-On Reset"
IC2: "IC LITHIUM BATT PROTECT SOT23-3", Device Package=SOT-23-3, Manufacturer=XYSEMI, Supplier Part Number 1=C154939, Battery Chemistry="Li-Ion, Li-Pol", ComponentLink1Description=Datasheet, ComponentLink1URL=http://www.baitaishengshi.com/uploadfile/2017/1213/20171213368970.pdf, ComponentLink2Description="LCSC Listing", ComponentLink2URL=https://lcsc.com/product-detail/Battery-Protection-ICs_XB3306A_C154939.html, Function=Protection, Part Number="XYSEMI XB3306A", PartId=16446, Supplier 1=LCSC